# Altium PCB openmv-ae3.PcbDoc (part 1 of 5)
Units mil, origin at the board's own origin, x right, y up, seen from the top; angles counter-clockwise.
Board outline 1400 x 1750 mil, 10 copper layers (Top, L2G, L3V, L4P, L5H, L6V, L7P, L8H, L9G, Bottom Layer), stack 46.28 mil thick; 351 components, 311 nets, 1344 pads, 643 vias.
Unrouted connection lines stored in the file: 8.
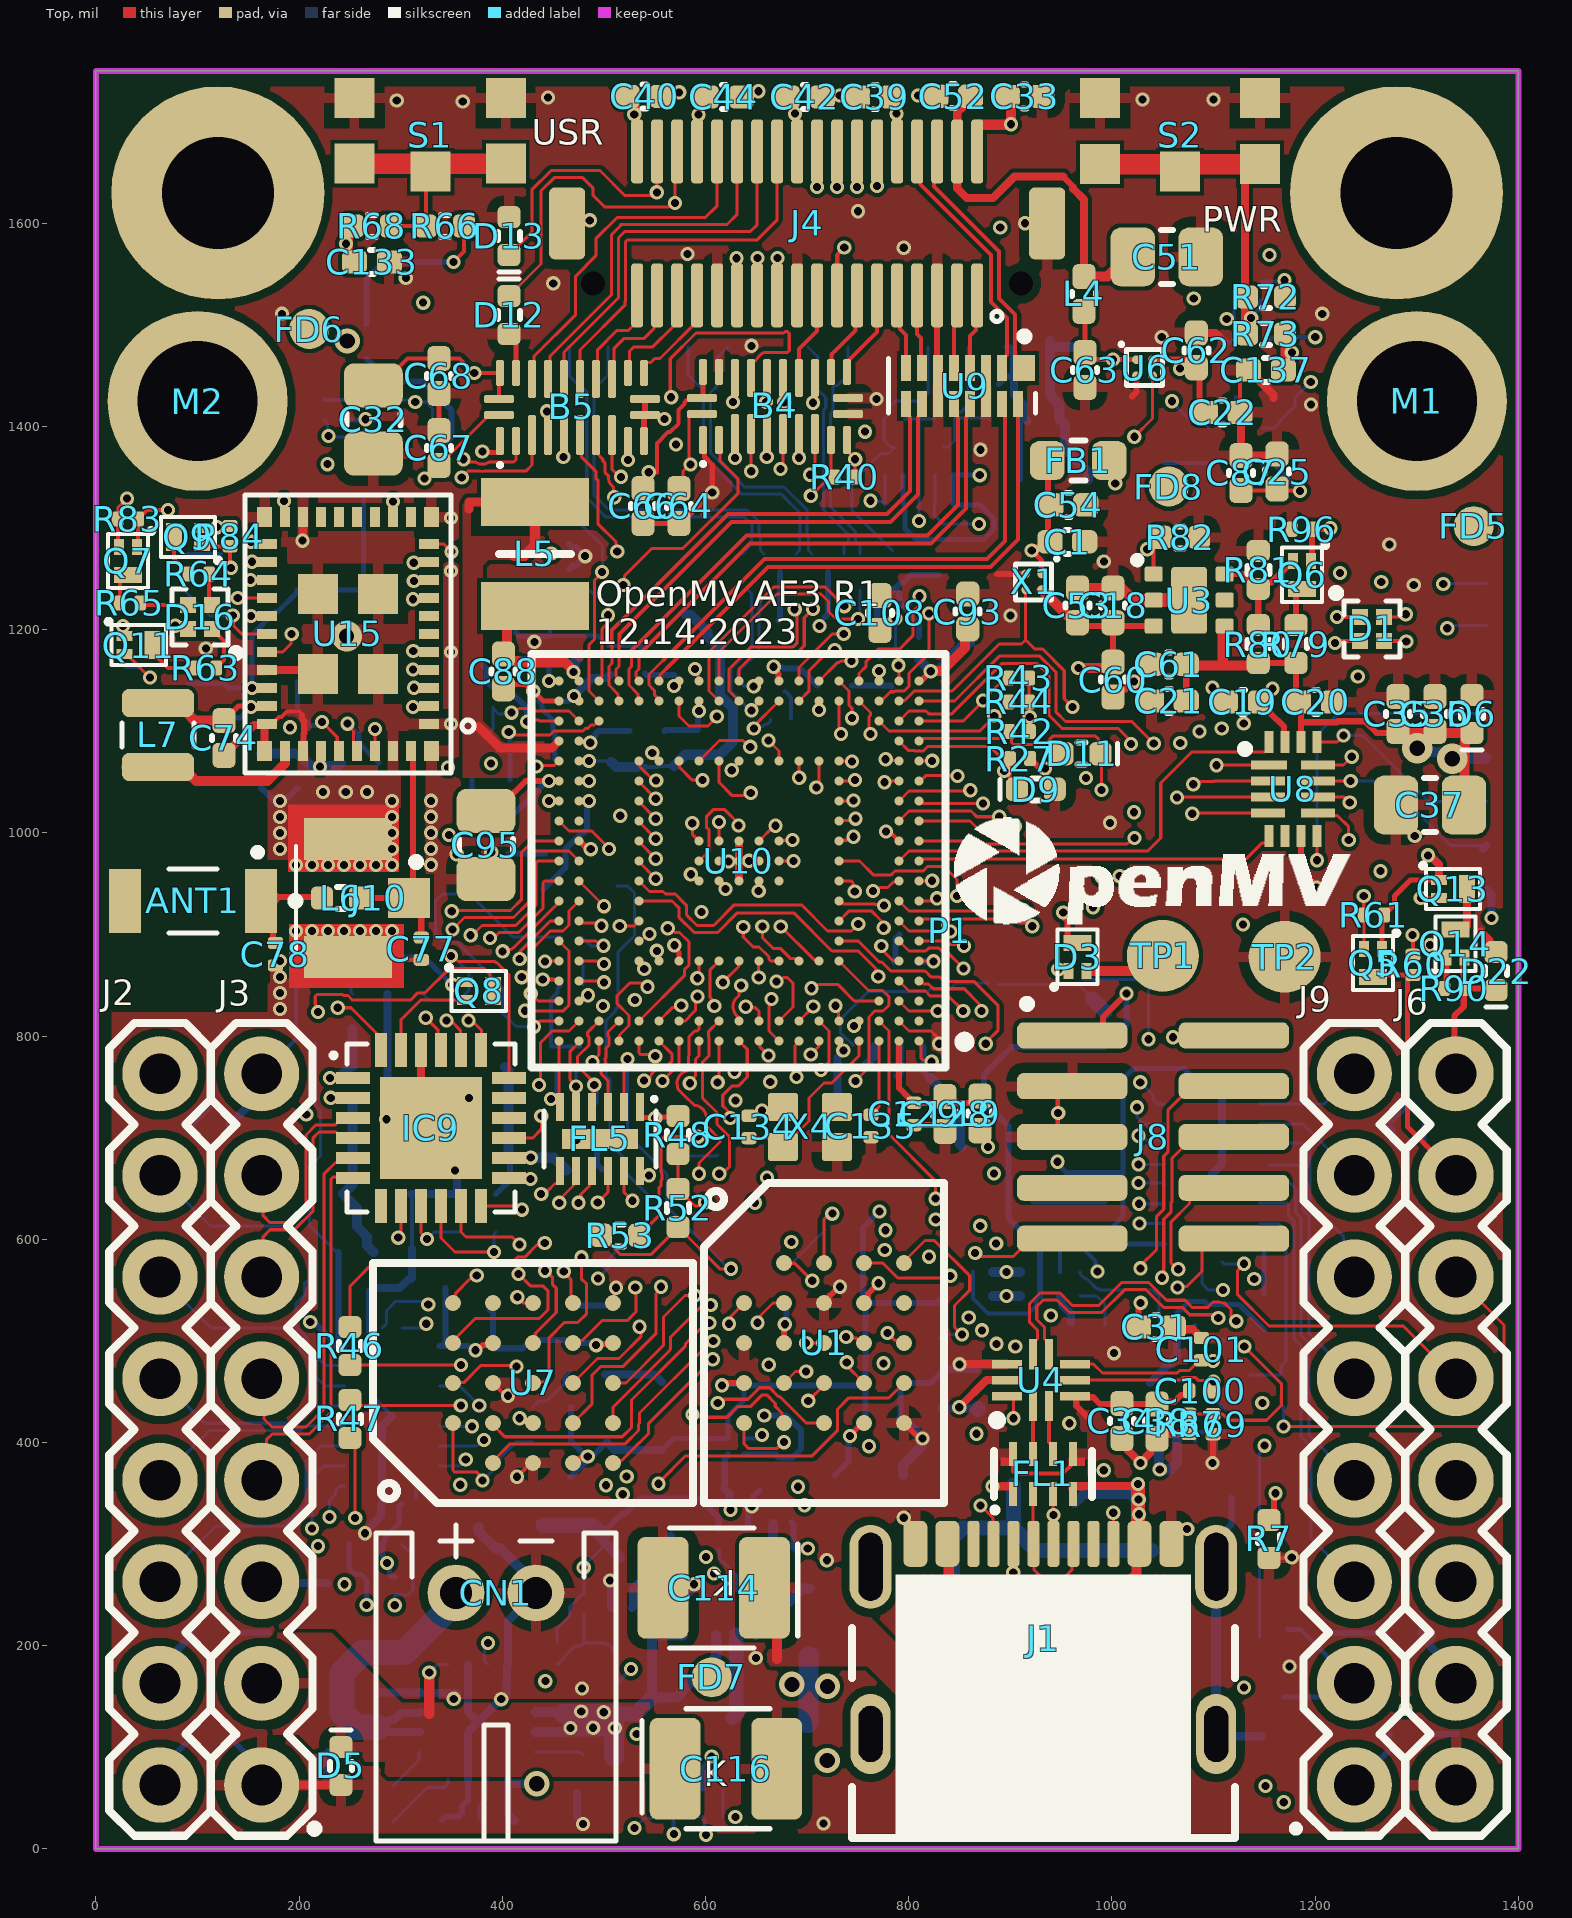
[diagram p0: Top view]
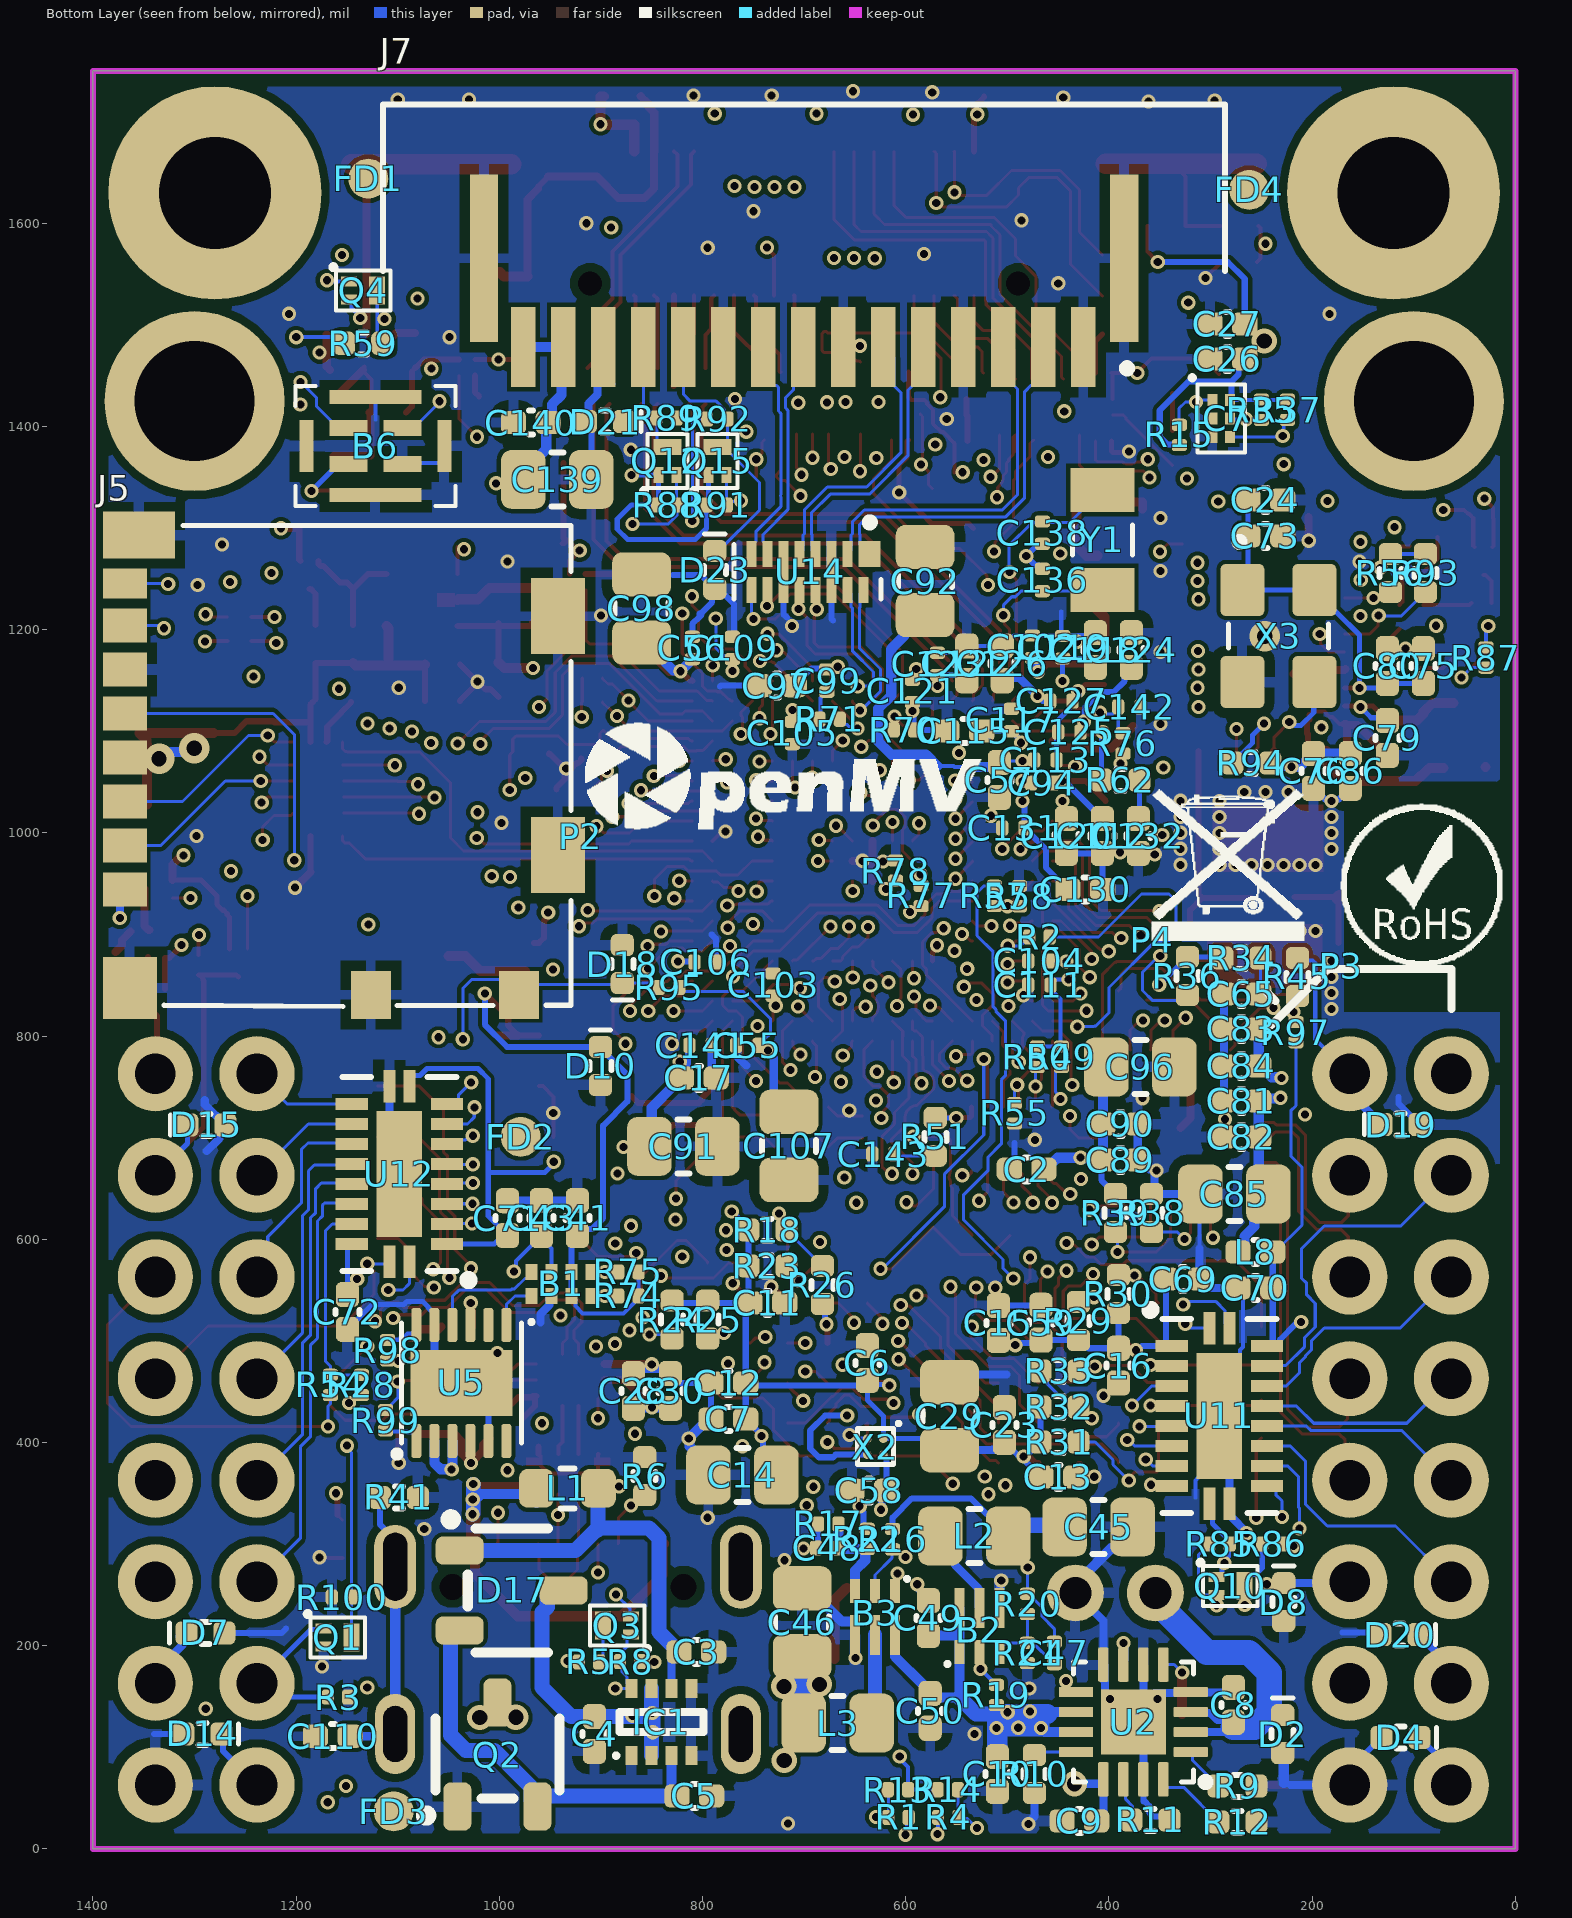
[diagram p1: Bottom Layer view, seen from below]
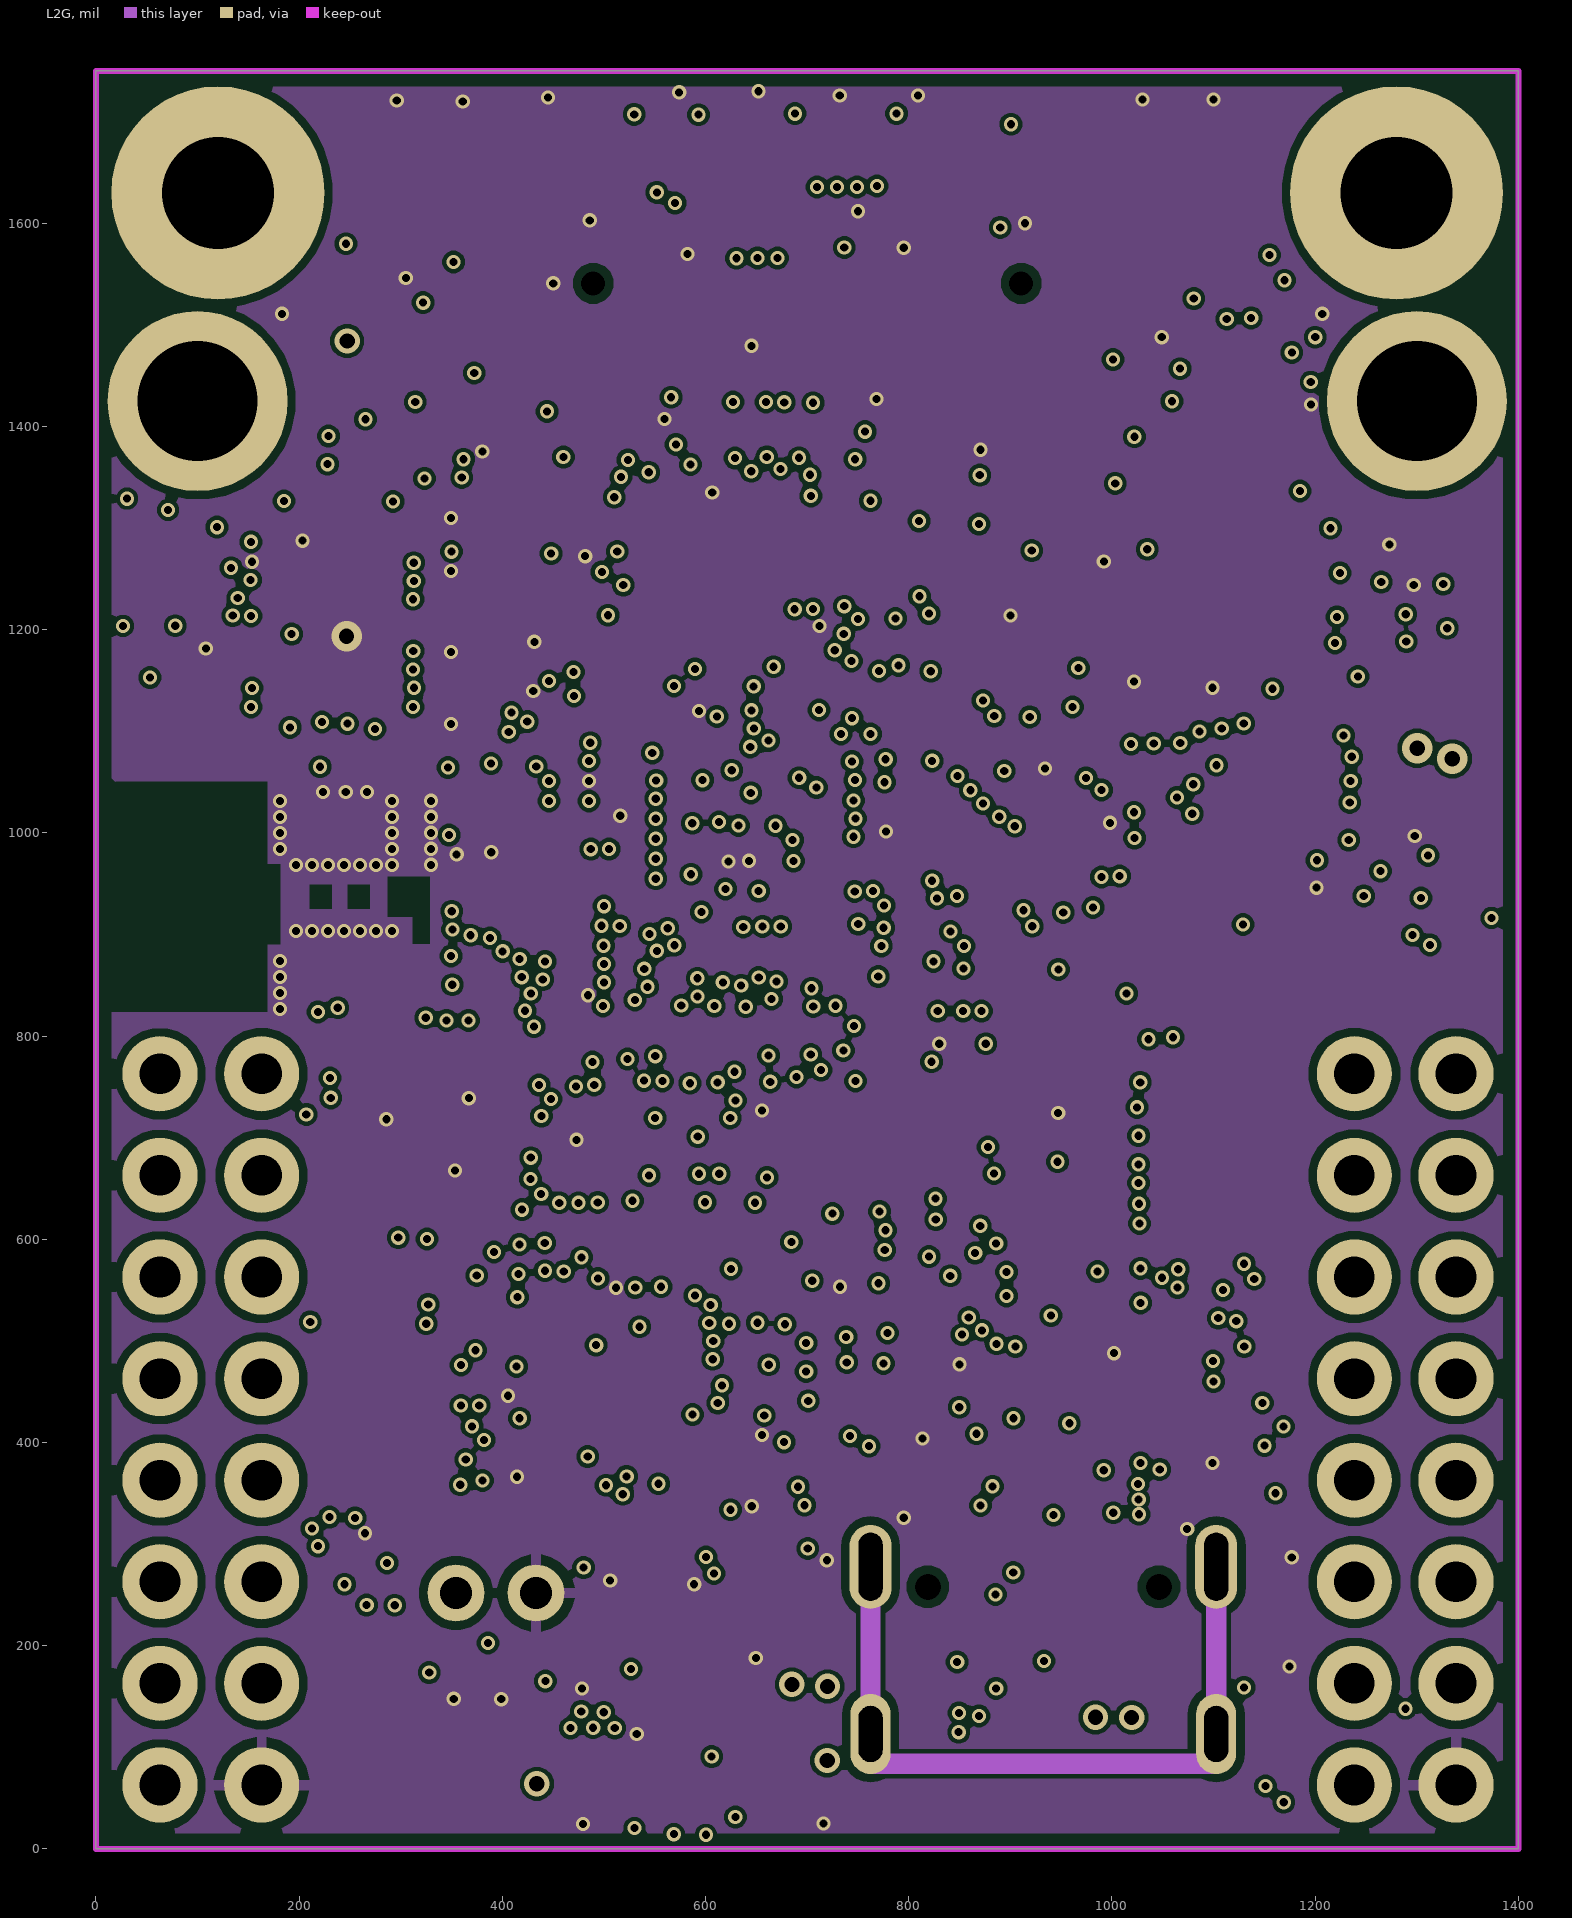
[diagram p2: L2G]
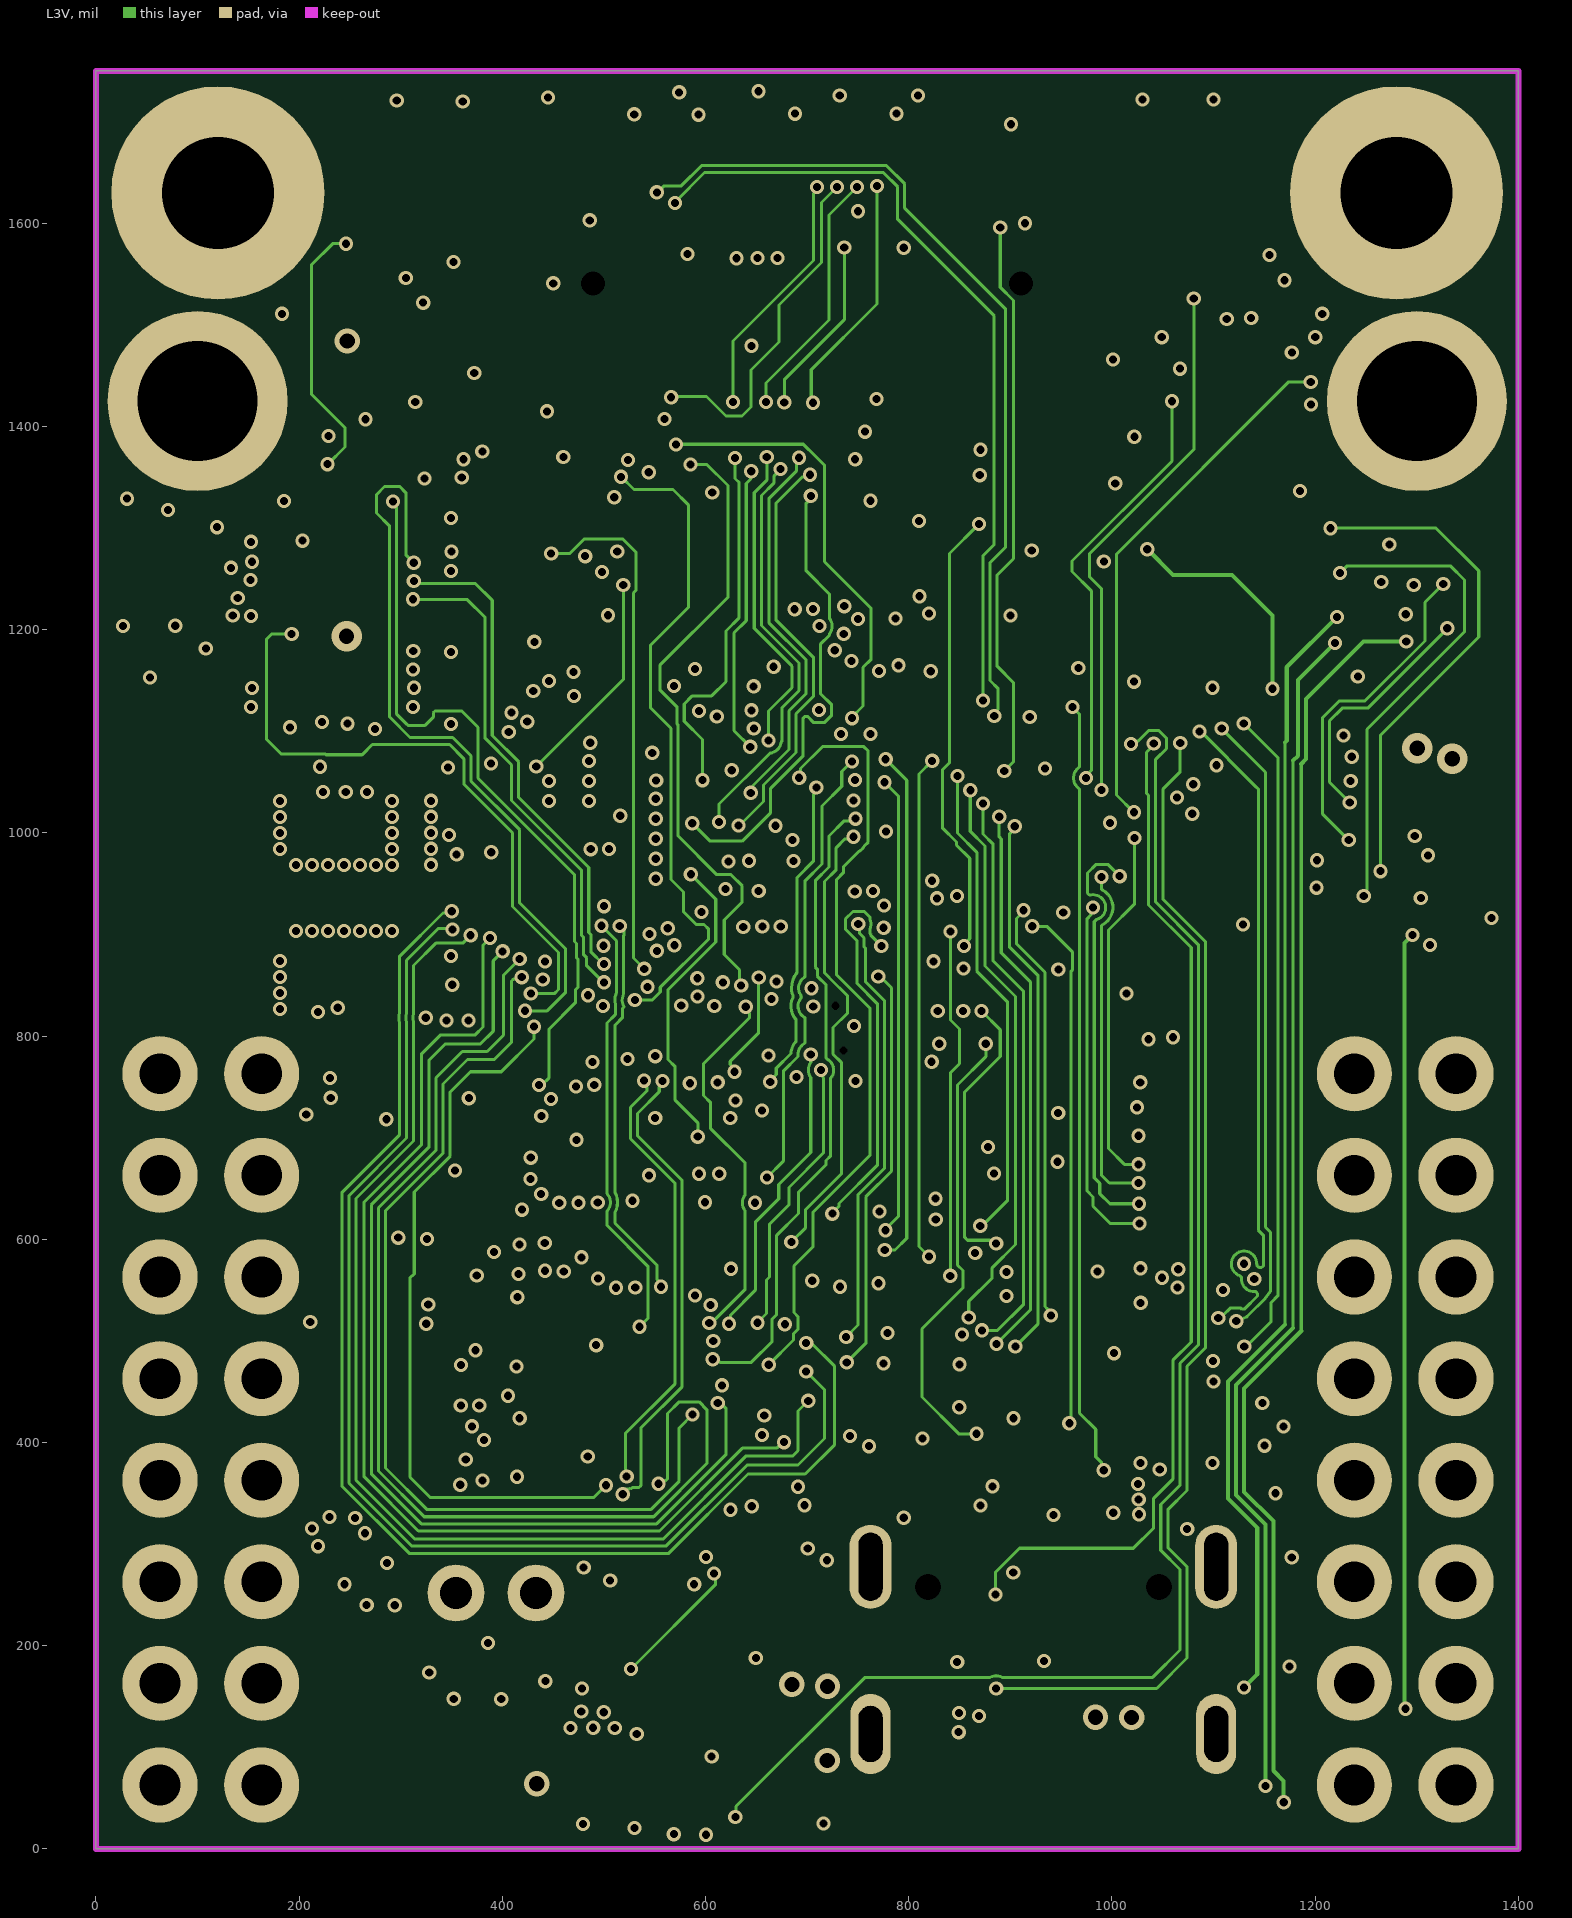
[diagram p3: L3V]
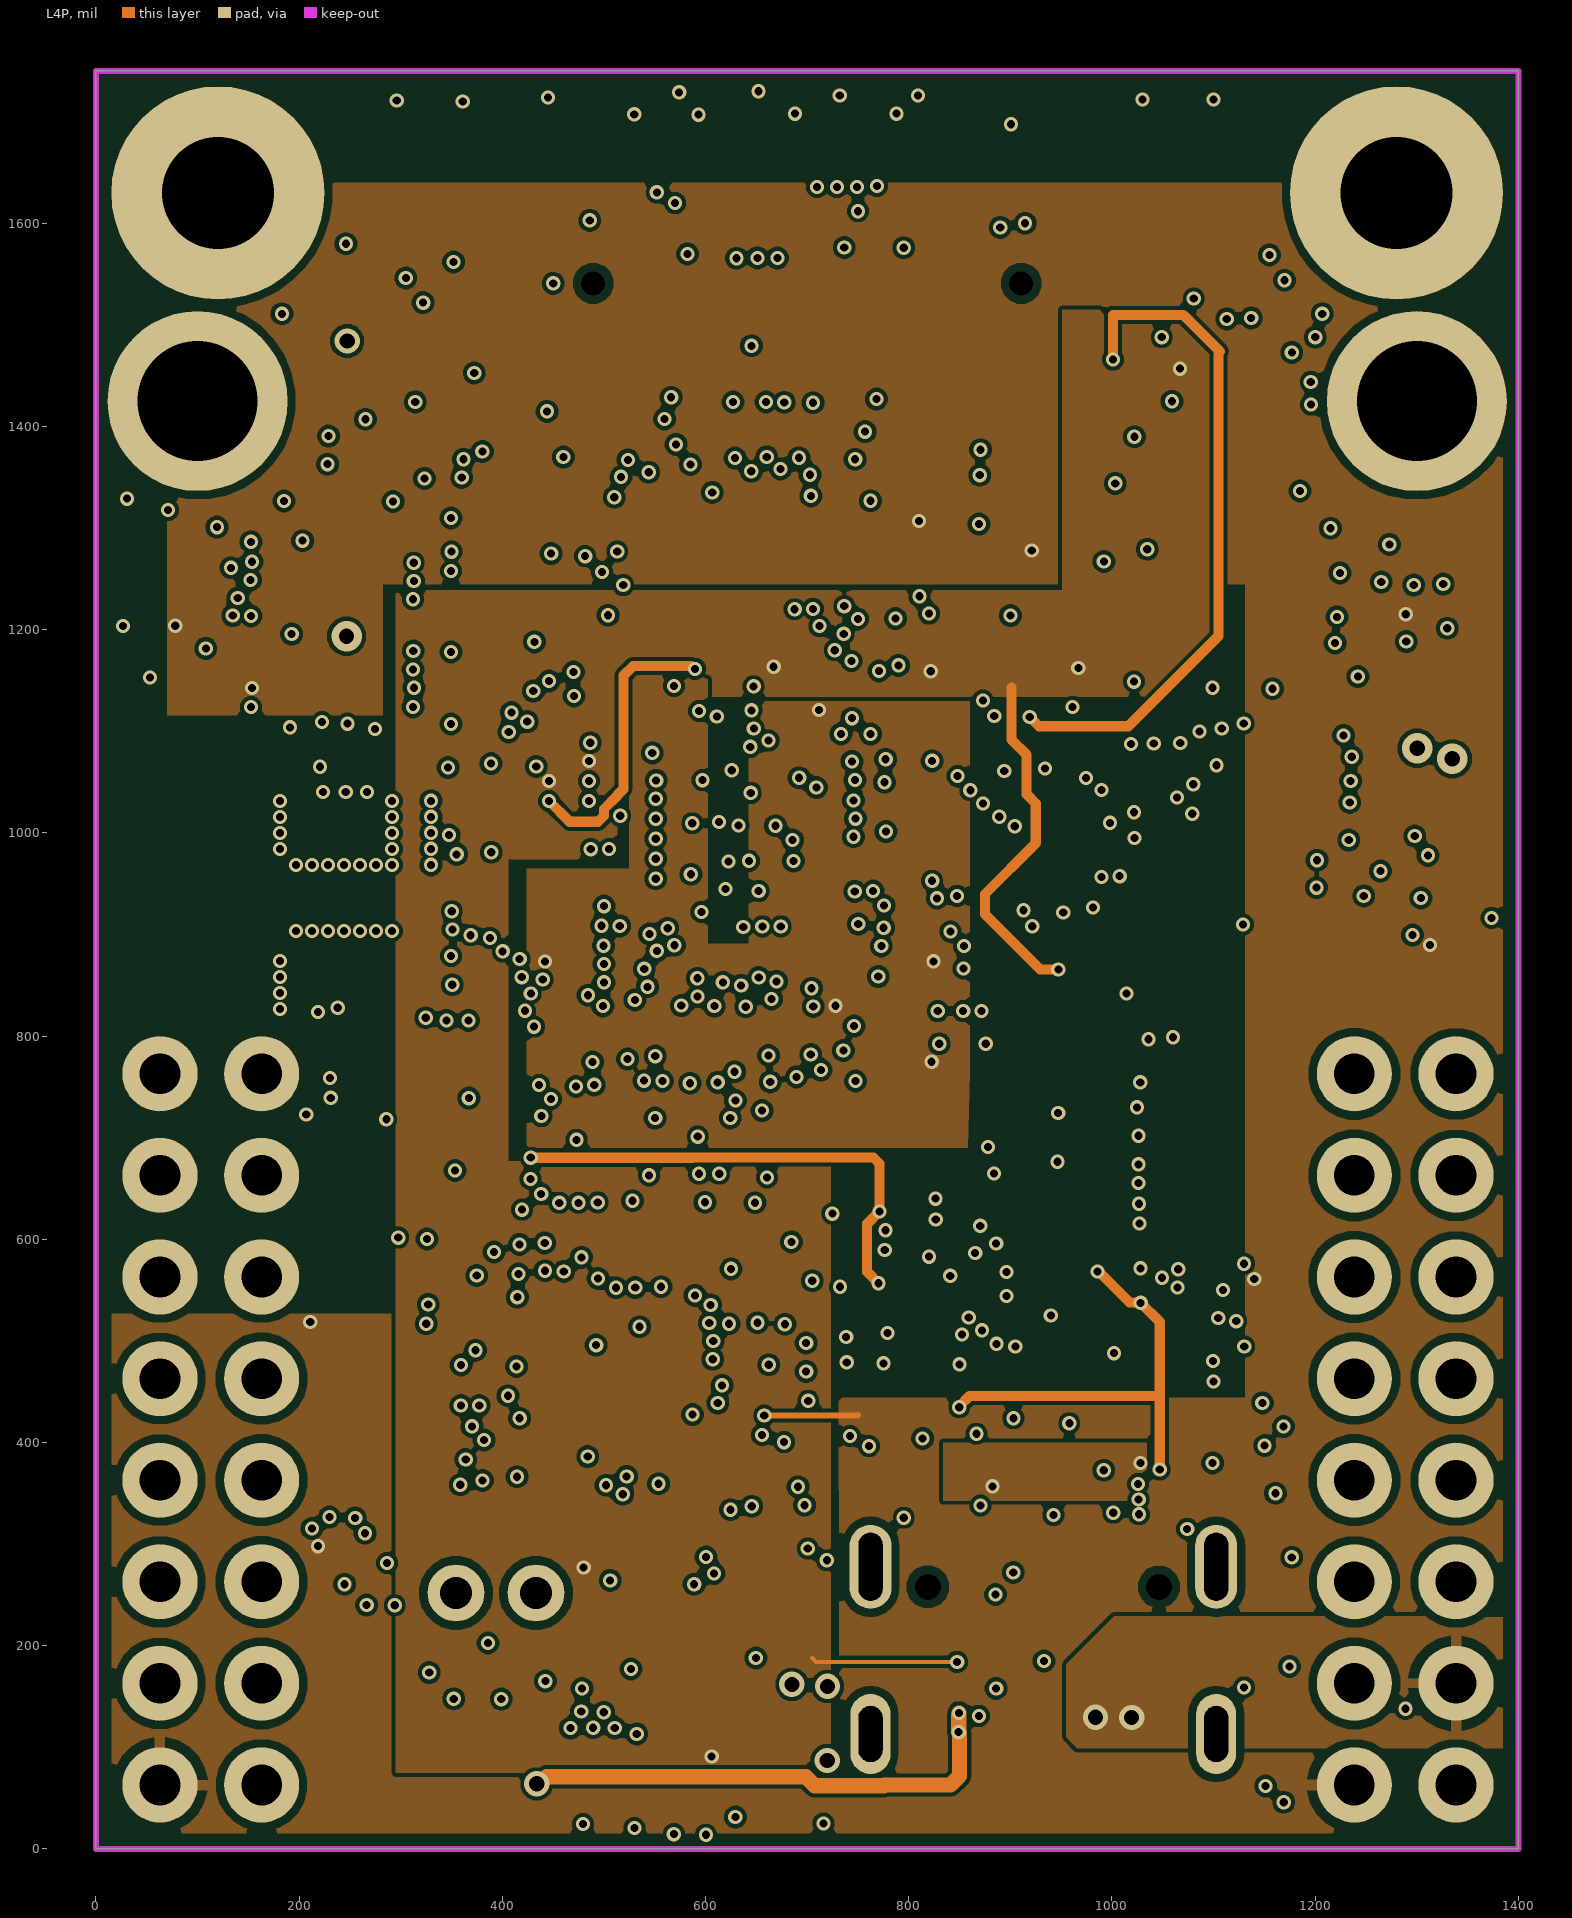
[diagram p4: L4P]
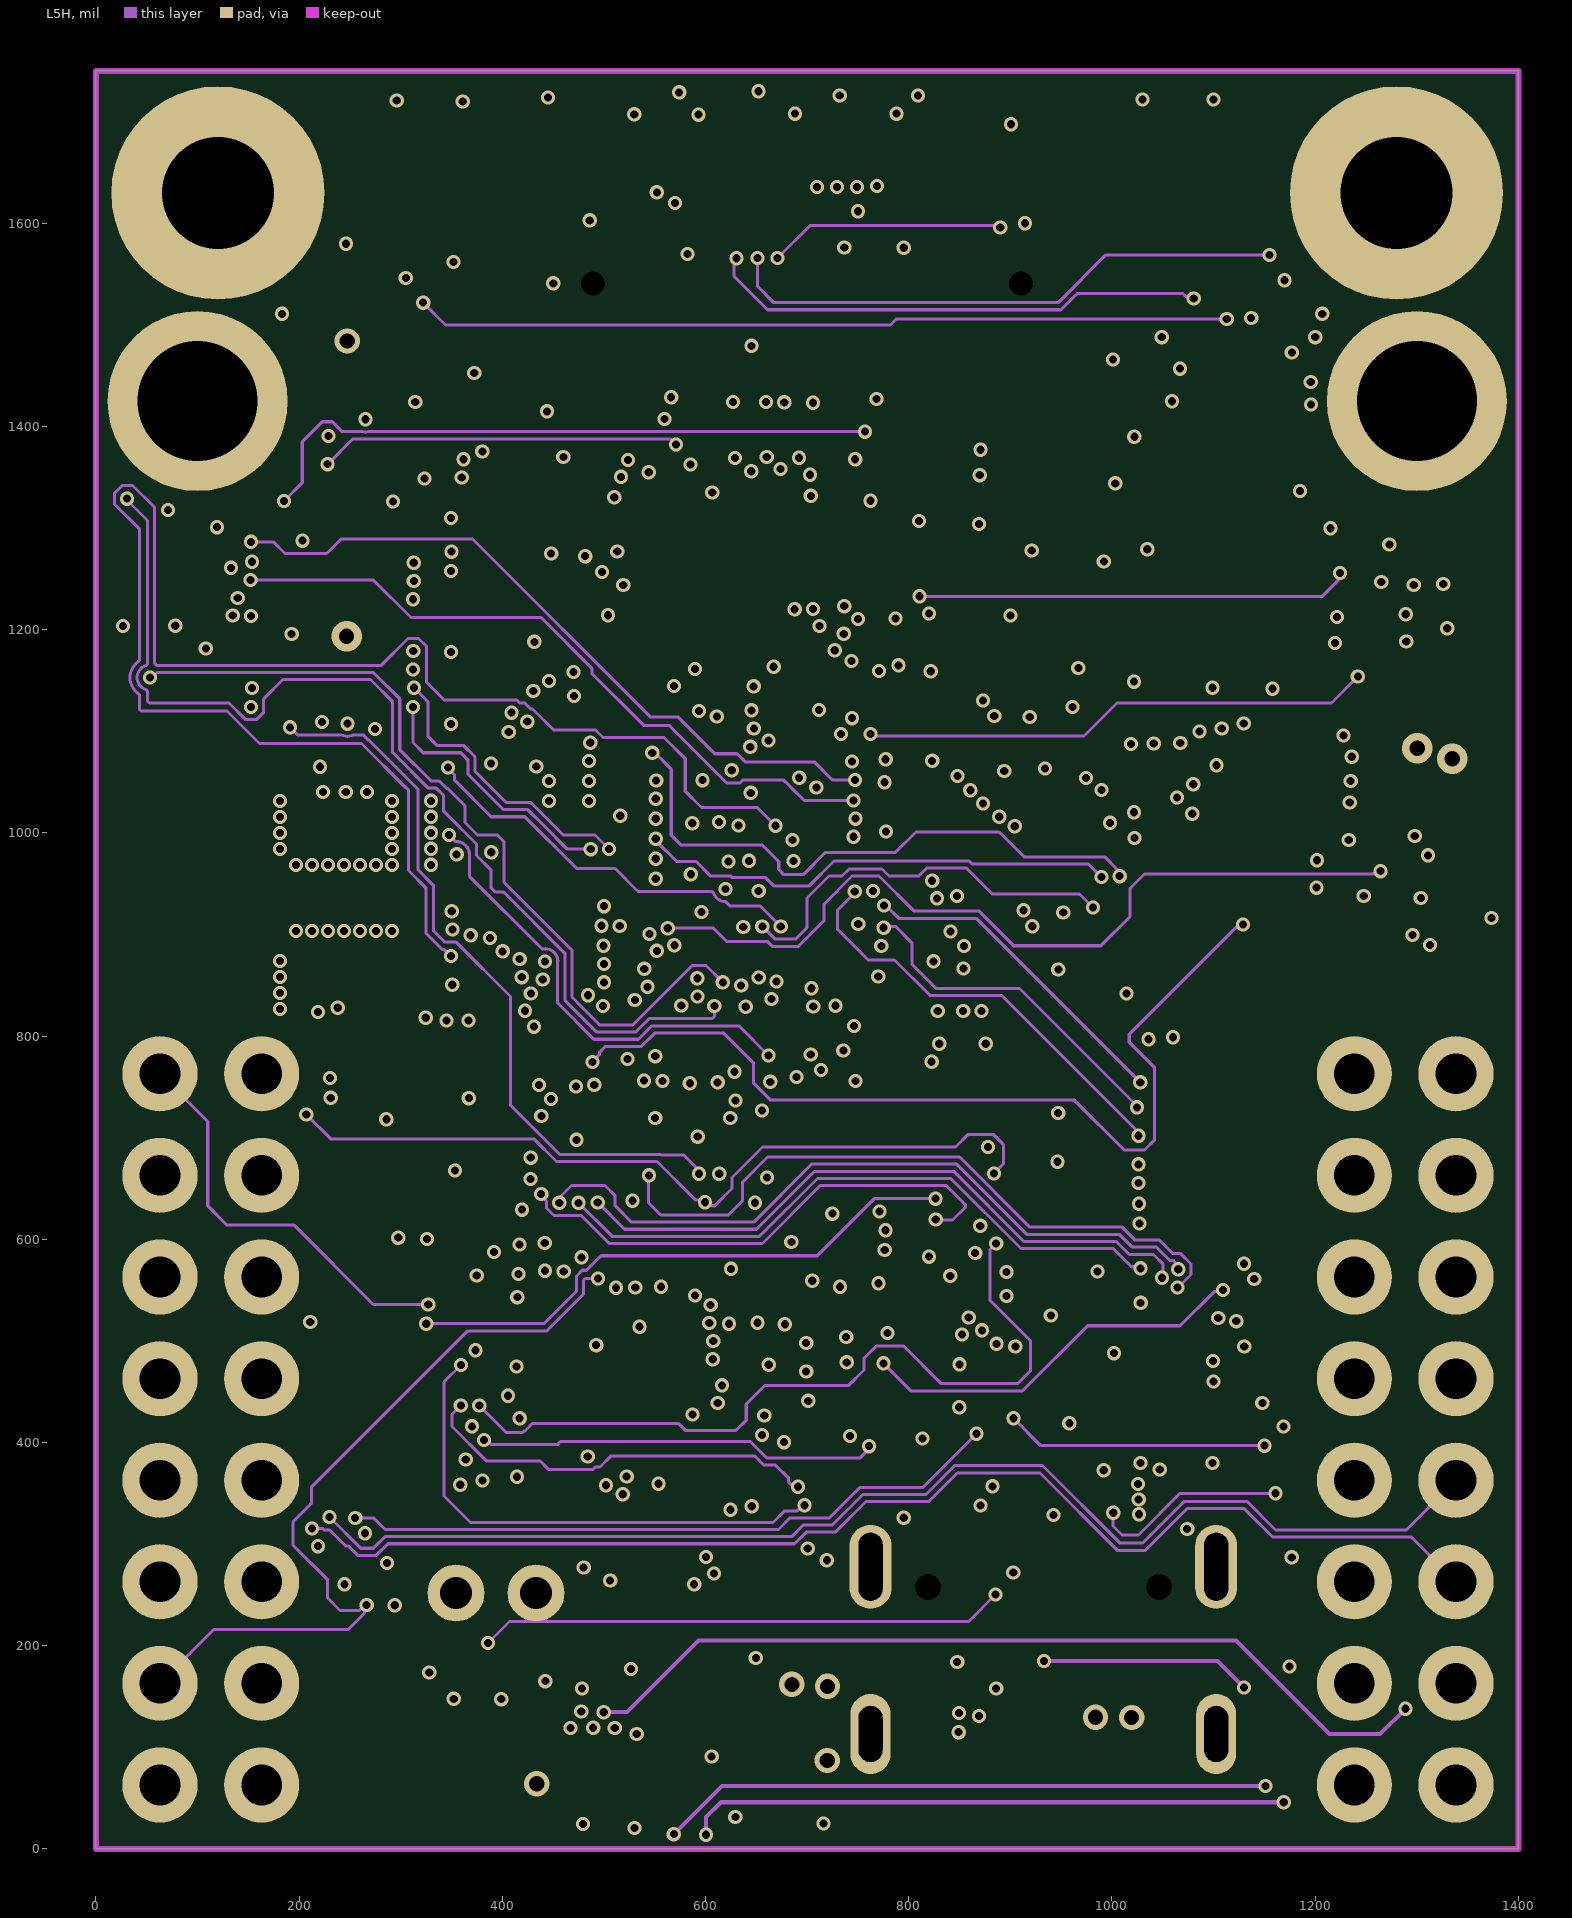
[diagram p5: L5H]